# KiCad board jetson-orin-baseboard.kicad_pcb (continued)
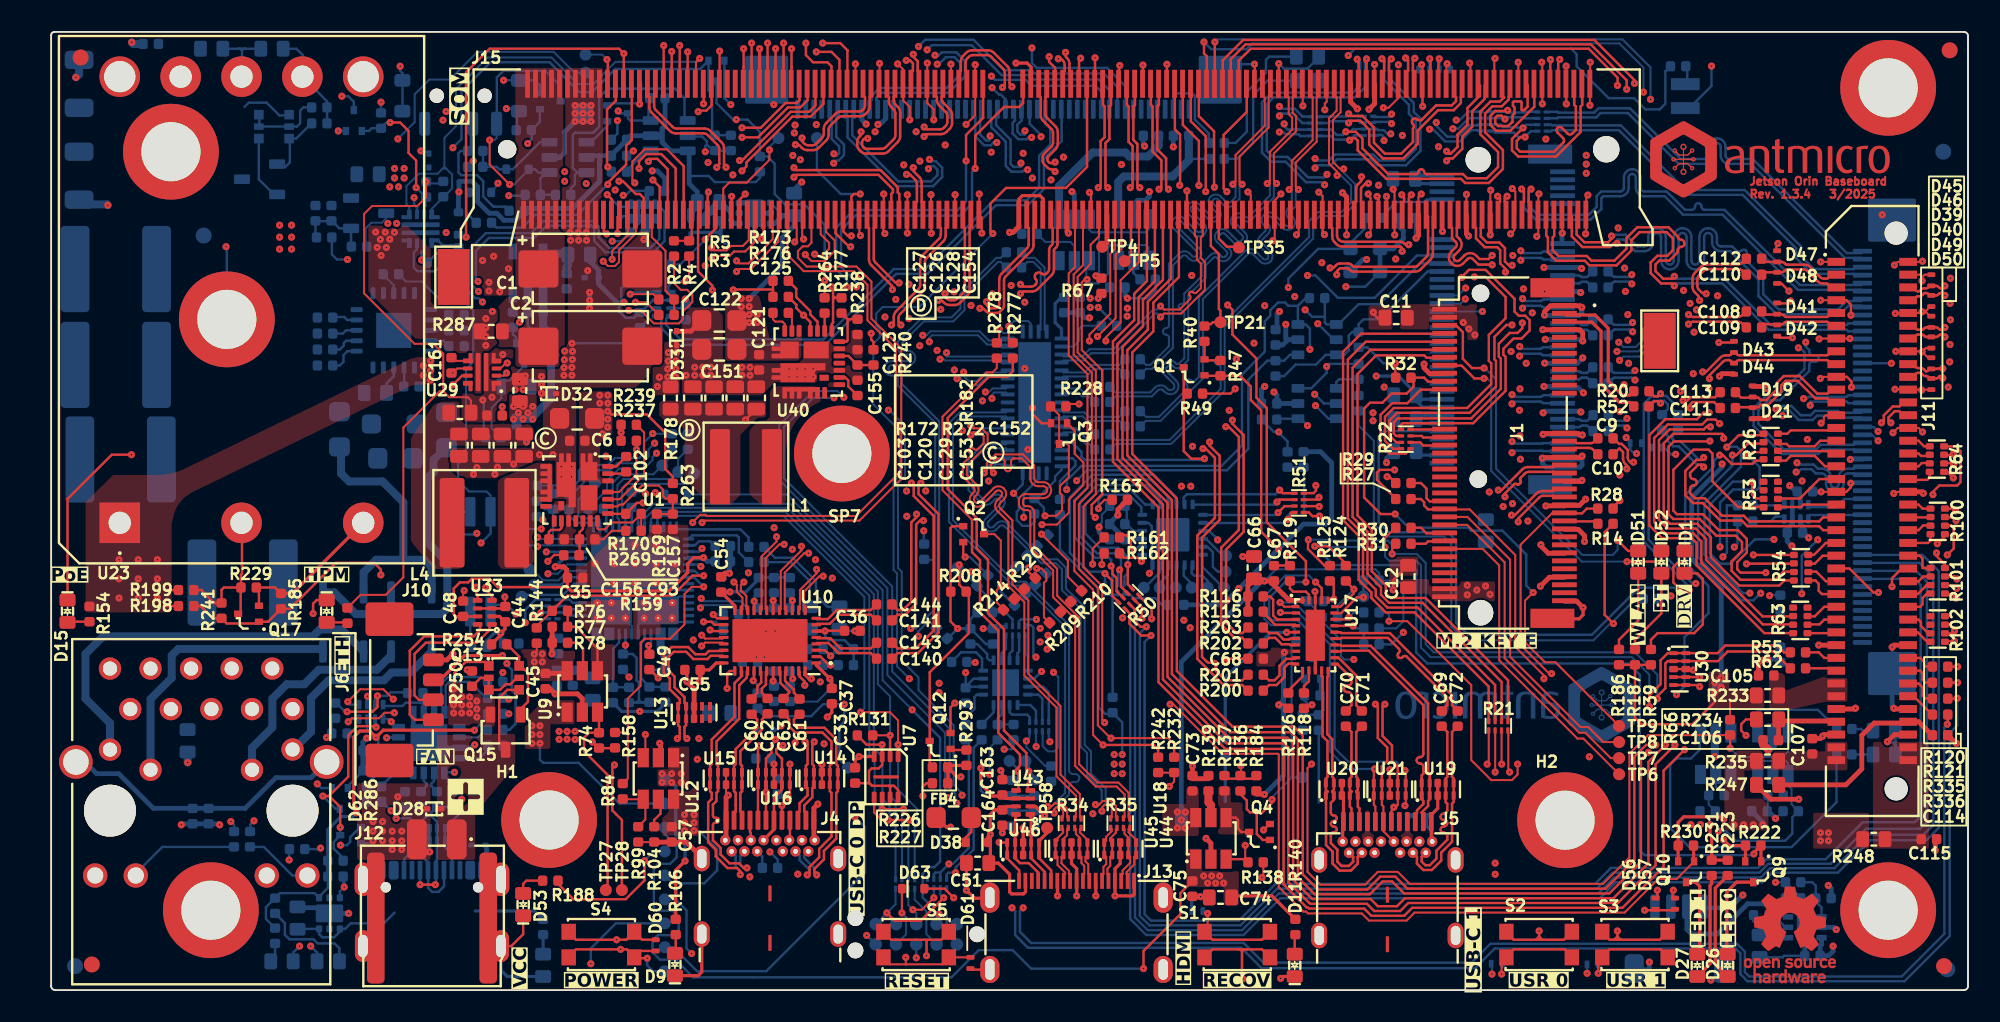
[diagram p0: board, top side]
## Library data of the parts (continued)
R4 R13 R20 R23 R30 R58 R59 R179 R201 R217 R241 R244 R278 = -: Datasheet: https://industrial.panasonic.com/cdbs/www-data/pdf/RDA0000/AOA0000C301.pdf; Author: Antmicro; Current: 1A; License: Apache-2.0; MPN: ERJ2GE0R00X; Manufacturer: Panasonic; Val: 0R; Field12: Author: Antmicro; Field13: License: Apache-2.0
R5 R119 R167 R293 = -: Datasheet: https://industrial.panasonic.com/cdbs/www-data/pdf/RDA0000/AOA0000C301.pdf; Author: Antmicro; Current: 1A; License: Apache-2.0; MPN: ERJ2GE0R00X; Manufacturer: Panasonic; Val: 0R; Field11: License: Apache-2.0; Field12: Author: Antmicro
R6 R180 R207 = -: Datasheet: https://www.bourns.com/docs/product-datasheets/cr.pdf; Author: Antmicro; License: Apache-2.0; MPN: CR0402-FX-1003GLF; Manufacturer: Bourns; Tolerance: 1%; Val: 100k; Field11: Author: Antmicro; Field12: License: Apache-2.0
R7 R106 = -: Datasheet: https://www.bourns.com/docs/product-datasheets/cr.pdf; Author: Antmicro; License: Apache-2.0; MPN: CR0402-FX-4701GLF; Manufacturer: Bourns; Tolerance: 1%; Val: 4k7; Field10: License: Apache-2.0; Field11: Author: Antmicro
R8-R10 R81 R130 = -: Datasheet: https://www.bourns.com/docs/product-datasheets/cr.pdf; Author: Antmicro; License: Apache-2.0; MPN: CR0402-FX-4701GLF; Manufacturer: Bourns; Tolerance: 1%; Val: 4k7; Field10: License: Apache-2.0; Field12: Author: Antmicro
R11 R15 R16 R19 R62 R114 R120 R124 R141 R158 R166 R183 R216 R225 R226 R268 = -: Datasheet: https://industrial.panasonic.com/cdbs/www-data/pdf/RDA0000/AOA0000C301.pdf; Author: Antmicro; Current: 1A; License: Apache-2.0; MPN: ERJ2GE0R00X; Manufacturer: Panasonic; Val: 0R; Field11: Author: Antmicro; Field12: License: Apache-2.0
R21 R25 R51 R108 R122 = -: Datasheet: http://industrial.panasonic.com/cdbs/www-data/pdf/AOC0000/AOC0000C14.pdf; Author: Antmicro; License: Apache-2.0; MPN: EXB-18VR000X; Manufacturer: Panasonic; Val: 4x0R_0201; Field9: License: Apache-2.0; Field10: Author: Antmicro
R22 R33 R35 R107 R204 = -: Datasheet: http://industrial.panasonic.com/cdbs/www-data/pdf/AOC0000/AOC0000C14.pdf; Author: Antmicro; License: Apache-2.0; MPN: EXB-18VR000X; Manufacturer: Panasonic; Val: 4x0R_0201; Field10: Author: Antmicro; Field11: License: Apache-2.0
R24 R42 R44 R47 R74 R77 R135 R136 R138 R153 R163 R193 R238 R251 = -: Datasheet: https://www.bourns.com/docs/product-datasheets/cr.pdf; Author: Antmicro; License: Apache-2.0; MPN: CR0402-FX-1002GLF; Manufacturer: Bourns; Tolerance: 1%; Val: 10k; Field11: Author: Antmicro; Field12: License: Apache-2.0
R26 R101 = -: Datasheet: http://industrial.panasonic.com/cdbs/www-data/pdf/AOC0000/AOC0000C14.pdf; Author: Antmicro; License: Apache-2.0; MPN: EXB-28V331JX; Manufacturer: Panasonic; Val: R_4x330R_0402; Field9: License: Apache-2.0; Field10: Author: Antmicro
R27 = -: Datasheet: https://www.bourns.com/docs/product-datasheets/cr.pdf; Author: Antmicro; License: Apache-2.0; MPN: CR0402-FX-4702GLF; Manufacturer: Bourns; Tolerance: 1%; Val: 47k; Field10: Author: Antmicro; Field11: License: Apache-2.0
R28 R37 R38 = -: Datasheet: https://www.bourns.com/docs/product-datasheets/cr.pdf; Author: Antmicro; License: Apache-2.0; MPN: CR0402-FX-4702GLF; Manufacturer: Bourns; Tolerance: 1%; Val: 47k; Field10: License: Apache-2.0; Field11: Author: Antmicro
R32 = -: Datasheet: https://www.bourns.com/docs/product-datasheets/cr.pdf; Author: Antmicro; License: Apache-2.0; MPN: CR0402-FX-4702GLF; Manufacturer: Bourns; Tolerance: 1%; Val: 47k; Field10: License: Apache-2.0; Field12: Author: Antmicro
R34 R103 = -: Datasheet: http://industrial.panasonic.com/cdbs/www-data/pdf/AOC0000/AOC0000C14.pdf; Author: Antmicro; License: Apache-2.0; MPN: EXB-18VR000X; Manufacturer: Panasonic; Val: 4x0R_0201; Field9: License: Apache-2.0; Field11: Author: Antmicro
R36 = -: Datasheet: http://industrial.panasonic.com/cdbs/www-data/pdf/AOC0000/AOC0000C14.pdf; Author: Antmicro; License: Apache-2.0; MPN: EXB-18V222JX; Manufacturer: Panasonic; Val: 4x2k2_0201; Field9: License: Apache-2.0; Field11: Author: Antmicro
R39 R147 = -: Datasheet: https://www.bourns.com/docs/product-datasheets/cr.pdf; Author: Antmicro; License: Apache-2.0; MPN: CR0402-FX-2000GLF; Manufacturer: Bourns; Tolerance: 1%; Val: 200R; Field11: Author: Antmicro; Field12: License: Apache-2.0
R43 = -: Datasheet: https://www.bourns.com/docs/product-datasheets/cr.pdf; Author: Antmicro; License: Apache-2.0; MPN: CR0402-FX-1003GLF; Manufacturer: Bourns; Tolerance: 1%; Val: 100k; Field10: Author: Antmicro; Field11: License: Apache-2.0
R45 R192 R205 R229 = -: Datasheet: https://www.bourns.com/docs/product-datasheets/cr.pdf; Author: Antmicro; License: Apache-2.0; MPN: CR0402-FX-1003GLF; Manufacturer: Bourns; Tolerance: 1%; Val: 100k; Field10: License: Apache-2.0; Field12: Author: Antmicro
R46 R131 R211 R219 R254 = -: Datasheet: https://www.bourns.com/docs/product-datasheets/cr.pdf; Author: Antmicro; License: Apache-2.0; MPN: CR0402-FX-1002GLF; Manufacturer: Bourns; Tolerance: 1%; Val: 10k; Field10: License: Apache-2.0; Field12: Author: Antmicro
R48 = -: Datasheet: http://industrial.panasonic.com/cdbs/www-data/pdf/AOC0000/AOC0000C14.pdf; Author: Antmicro; License: Apache-2.0; MPN: EXB-18V222JX; Manufacturer: Panasonic; Val: 4x2k2_0201; Field10: Author: Antmicro; Field11: License: Apache-2.0
R49 R66 R83 R99 R115 R137 R181 R242 = -: Datasheet: https://www.bourns.com/docs/product-datasheets/cr.pdf; Author: Antmicro; License: Apache-2.0; MPN: CR0402-FX-1002GLF; Manufacturer: Bourns; Tolerance: 1%; Val: 10k; Field10: License: Apache-2.0; Field11: Author: Antmicro
R50 = -: Datasheet: http://industrial.panasonic.com/cdbs/www-data/pdf/AOC0000/AOC0000C14.pdf; Author: Antmicro; License: Apache-2.0; MPN: EXB-18VR000X; Manufacturer: Panasonic; Val: 4x0R_0201; Field10: License: Apache-2.0; Field11: Author: Antmicro
R53 = -: Datasheet: http://industrial.panasonic.com/cdbs/www-data/pdf/AOC0000/AOC0000C14.pdf; Author: Antmicro; License: Apache-2.0; MPN: EXB-28V331JX; Manufacturer: Panasonic; Val: R_4x330R_0402; Field10: License: Apache-2.0; Field11: Author: Antmicro
R54 = -: Datasheet: http://industrial.panasonic.com/cdbs/www-data/pdf/AOC0000/AOC0000C14.pdf; Author: Antmicro; License: Apache-2.0; MPN: EXB-28V331JX; Manufacturer: Panasonic; Val: R_4x330R_0402; Field10: Author: Antmicro; Field11: License: Apache-2.0
R60 R189 R232 R250 R269 = -: Datasheet: https://www.bourns.com/docs/product-datasheets/cr.pdf; Author: Antmicro; License: Apache-2.0; MPN: CR0402-FX-1002GLF; Manufacturer: Bourns; Tolerance: 1%; Val: 10k; Field10: Author: Antmicro; Field12: License: Apache-2.0
R61 R265 = -: Datasheet: https://www.bourns.com/docs/product-datasheets/cr.pdf; Author: Antmicro; License: Apache-2.0; MPN: CR0402-FX-2003GLF; Manufacturer: Bourns; Tolerance: 1%; Val: 200k; Field10: Author: Antmicro; Field12: License: Apache-2.0
R63 R64 R100 = -: Datasheet: http://industrial.panasonic.com/cdbs/www-data/pdf/AOC0000/AOC0000C14.pdf; Author: Antmicro; License: Apache-2.0; MPN: EXB-28V331JX; Manufacturer: Panasonic; Val: R_4x330R_0402; Field9: Author: Antmicro; Field10: License: Apache-2.0
R67 R160 R194 R228 = -: Datasheet: https://www.bourns.com/docs/product-datasheets/cr.pdf; Author: Antmicro; License: Apache-2.0; MPN: CR0402-FX-1002GLF; Manufacturer: Bourns; Tolerance: 1%; Val: 10k; Field11: License: Apache-2.0; Field12: Author: Antmicro
R68 R72 R133 R186 R191 = -: Datasheet: https://www.bourns.com/docs/product-datasheets/cr.pdf; Author: Antmicro; License: Apache-2.0; MPN: CR0402-FX-2000GLF; Manufacturer: Bourns; Tolerance: 1%; Val: 200R; Field10: Author: Antmicro; Field11: License: Apache-2.0
R69 R236 = -: Datasheet: https://www.bourns.com/docs/product-datasheets/cr.pdf; Author: Antmicro; License: Apache-2.0; MPN: CR0402-FX-2000GLF; Manufacturer: Bourns; Tolerance: 1%; Val: 200R; Field10: Author: Antmicro; Field12: License: Apache-2.0
R73 R151 R231 = -: Datasheet: https://www.bourns.com/docs/product-datasheets/cr.pdf; Author: Antmicro; License: Apache-2.0; MPN: CR0402-FX-2000GLF; Manufacturer: Bourns; Tolerance: 1%; Val: 200R; Field11: License: Apache-2.0; Field12: Author: Antmicro
R78 R282 = -: Datasheet: https://www.bourns.com/docs/product-datasheets/cr.pdf; Author: Antmicro; License: Apache-2.0; MPN: CR0402-FX-2201GLF; Manufacturer: Bourns; Tolerance: 1%; Val: 2k2; Field10: License: Apache-2.0; Field12: Author: Antmicro
R80 R164 = -: Datasheet: https://www.bourns.com/docs/product-datasheets/cr.pdf; Author: Antmicro; License: Apache-2.0; MPN: CR0402-FX-4701GLF; Manufacturer: Bourns; Tolerance: 1%; Val: 4k7; Field10: Author: Antmicro; Field12: License: Apache-2.0
R85 R89 R95 R98 R155 R184 R256 = -: Datasheet: https://www.bourns.com/docs/product-datasheets/cr.pdf; Author: Antmicro; License: Apache-2.0; MPN: CR0402-FX-1001GLF; Manufacturer: Bourns; Tolerance: 1%; Val: 1k; Field11: License: Apache-2.0; Field12: Author: Antmicro
R86 R87 R91 R94 R96 = -: Datasheet: https://www.bourns.com/docs/product-datasheets/cr.pdf; Author: Antmicro; License: Apache-2.0; MPN: CR0402-FX-1001GLF; Manufacturer: Bourns; Tolerance: 1%; Val: 1k; Field11: Author: Antmicro; Field12: License: Apache-2.0
R88 R111 R267 = -: Datasheet: https://www.bourns.com/docs/product-datasheets/cr.pdf; Author: Antmicro; License: Apache-2.0; MPN: CR0402-FX-1001GLF; Manufacturer: Bourns; Tolerance: 1%; Val: 1k; Field10: License: Apache-2.0; Field12: Author: Antmicro
R90 R93 R156 = -: Datasheet: https://www.bourns.com/docs/product-datasheets/cr.pdf; Author: Antmicro; License: Apache-2.0; MPN: CR0402-FX-1001GLF; Manufacturer: Bourns; Tolerance: 1%; Val: 1k; Field10: License: Apache-2.0; Field11: Author: Antmicro
R92 = -: Datasheet: https://www.bourns.com/docs/product-datasheets/cr.pdf; Author: Antmicro; License: Apache-2.0; MPN: CR0402-FX-1001GLF; Manufacturer: Bourns; Tolerance: 1%; Val: 1k; Field10: Author: Antmicro; Field11: License: Apache-2.0
R97 = -: Datasheet: https://www.bourns.com/docs/product-datasheets/cr.pdf; Author: Antmicro; License: Apache-2.0; MPN: CR0402-FX-1001GLF; Manufacturer: Bourns; Tolerance: 1%; Val: 1k; Field10: Author: Antmicro; Field12: License: Apache-2.0
R102 = -: Datasheet: http://industrial.panasonic.com/cdbs/www-data/pdf/AOC0000/AOC0000C14.pdf; Author: Antmicro; License: Apache-2.0; MPN: EXB-28V331JX; Manufacturer: Panasonic; Val: R_4x330R_0402; Field9: Author: Antmicro; Field11: License: Apache-2.0
R104 = -: Datasheet: https://www.bourns.com/docs/product-datasheets/cr.pdf; Author: Antmicro; License: Apache-2.0; MPN: CR0402-FX-2201GLF; Manufacturer: Bourns; Tolerance: 1%; Val: 2k2; Field11: License: Apache-2.0; Field12: Author: Antmicro
R105 = -: Datasheet: https://www.bourns.com/docs/product-datasheets/cr.pdf; Author: Antmicro; License: Apache-2.0; MPN: CR0402-FX-4701GLF; Manufacturer: Bourns; Tolerance: 1%; Val: 4k7; Field11: License: Apache-2.0; Field12: Author: Antmicro
R109 R110 = -: Datasheet: https://www.mouser.com/datasheet/2/447/YAGEO_PYu_RC_Group_51_RoHS_L_12-3313492.pdf; Description: SMD Chip Resistor, 2 Mohm, ± 1%, 62.5 mW, 0402 [1005 Metric], Thick Film, General Purpose; Author: Antmicro; License: Apache-2.0; MPN: RC0402FR-072ML; Manufacturer: YAGEO; Tolerance: 1%; Val: 2M; Field11: License: Apache-2.0; Field12: Author: Antmicro
R112 = -: Datasheet: http://industrial.panasonic.com/cdbs/www-data/pdf/AOC0000/AOC0000C14.pdf; Author: Antmicro; License: Apache-2.0; MPN: EXB-18V101JX; Manufacturer: Panasonic; Val: R_4x100R_0201; Field9: Author: Antmicro; Field11: License: Apache-2.0
R116 R148-R150 R188 R255 R259 = -: Datasheet: https://www.bourns.com/docs/product-datasheets/cr.pdf; Author: Antmicro; License: Apache-2.0; MPN: CR0402-FX-1002GLF; Manufacturer: Bourns; Tolerance: 1%; Val: 10k; Field10: Author: Antmicro; Field11: License: Apache-2.0
R117 = -: Datasheet: https://www.bourns.com/docs/product-datasheets/cr.pdf; Author: Antmicro; License: Apache-2.0; MPN: CR0402-FX-27R0GLF; Manufacturer: Bourns; Tolerance: 1%; Val: 27R; Field10: License: Apache-2.0; Field12: Author: Antmicro
R123 = -: Datasheet: https://www.bourns.com/docs/product-datasheets/cr.pdf; Author: Antmicro; License: Apache-2.0; MPN: CR0402-FX-1301GLF; Manufacturer: Bourns; Tolerance: 1%; Val: 1k3; Field10: Author: Antmicro; Field12: License: Apache-2.0
R126 R257 R258 = -: Datasheet: https://www.bourns.com/docs/product-datasheets/cr.pdf; Author: Antmicro; License: Apache-2.0; MPN: CR0402-FX-2003GLF; Manufacturer: Bourns; Tolerance: 1%; Val: 200k; Field11: Author: Antmicro; Field12: License: Apache-2.0
R127 = -: Datasheet: https://www.bourns.com/docs/product-datasheets/cr.pdf; Author: Antmicro; License: Apache-2.0; MPN: CR0402-FX-27R0GLF; Manufacturer: Bourns; Tolerance: 1%; Val: 27R; Field10: Author: Antmicro; Field12: License: Apache-2.0
R128 = -: Datasheet: https://eu.mouser.com/datasheet/2/315/AOA0000C304-1149620.pdf; Author: Antmicro; License: Apache-2.0; MPN: ERJ-2RKF8873X; Manufacturer: Panasonic; Tolerance: 1%; Val: 887k; Field11: License: Apache-2.0; Field12: Author: Antmicro
R132 R187 R223 = -: Datasheet: https://www.bourns.com/docs/product-datasheets/cr.pdf; Author: Antmicro; License: Apache-2.0; MPN: CR0402-FX-2000GLF; Manufacturer: Bourns; Tolerance: 1%; Val: 200R; Field10: License: Apache-2.0; Field11: Author: Antmicro
R139 = -: Datasheet: https://www.bourns.com/docs/product-datasheets/cr.pdf; Author: Antmicro; License: Apache-2.0; MPN: CR0402-FX-2201GLF; Manufacturer: Bourns; Tolerance: 1%; Val: 2k2; Field10: Author: Antmicro; Field12: License: Apache-2.0
R140 R206 = -: Datasheet: https://www.bourns.com/docs/product-datasheets/cr.pdf; Author: Antmicro; License: Apache-2.0; MPN: CR0402-FX-4700GLF; Manufacturer: Bourns; Tolerance: 1%; Val: 470R; Field11: License: Apache-2.0; Field12: Author: Antmicro
R142 = -: Datasheet: https://www.bourns.com/docs/product-datasheets/cr.pdf; Author: Antmicro; License: Apache-2.0; MPN: CR0402-FX-4992GLF; Manufacturer: Bourns; Tolerance: 1%; Val: 49k9; Field10: Author: Antmicro; Field12: License: Apache-2.0
R143 = -: Datasheet: https://fscdn.rohm.com/en/products/databook/datasheet/passive/resistor/chip_resistor/pmr-jpw-e.pdf; Author: Antmicro; License: Apache-2.0; MPN: PMR03EZPJ000; Manufacturer: ROHM Semiconductor; Max. Curr.: 22.4A; Tolerance: template_tolerance; Val: 0R; Field11: Author: Antmicro; Field13: License: Apache-2.0
R145 = -: Datasheet: https://www.bourns.com/docs/product-datasheets/cr.pdf; Author: Antmicro; License: Apache-2.0; MPN: CR0402-FX-1201GLF; Manufacturer: Bourns; Tolerance: 1%; Val: 1k2; Field11: License: Apache-2.0; Field12: Author: Antmicro
R146 = -: Datasheet: https://www.bourns.com/docs/product-datasheets/cr.pdf; Author: Antmicro; License: Apache-2.0; MPN: CR0402-FX-2492GLF; Manufacturer: Bourns; Tolerance: 1%; Val: 24k9; Field10: Author: Antmicro; Field12: License: Apache-2.0
R152 = -: Datasheet: https://www.bourns.com/docs/product-datasheets/cr.pdf; Author: Antmicro; License: Apache-2.0; MPN: CR0402-FX-2000GLF; Manufacturer: Bourns; Tolerance: 1%; Val: 200R; Field10: License: Apache-2.0; Field12: Author: Antmicro
R154 = -: Datasheet: https://www.bourns.com/docs/product-datasheets/cr.pdf; Author: Antmicro; License: Apache-2.0; MPN: CR0402-FX-2492GLF; Manufacturer: Bourns; Tolerance: 1%; Val: 24k9; Field11: Author: Antmicro; Field12: License: Apache-2.0
R157 R273 = -: Datasheet: https://www.bourns.com/docs/product-datasheets/cr.pdf?sfvrsn=574d41f6_14; Author: Antmicro; Current: 1A; License: Apache-2.0; MPN: CR0603-J/-000ELF; Manufacturer: Bourns; Val: 0R; Field12: Author: Antmicro; Field13: License: Apache-2.0
R159 = -: Datasheet: https://www.mouser.com/datasheet/2/54/cr-1858361.pdf; Author: Antmicro; License: Apache-2.0; MPN: CR0402-FX-4993GLF; Manufacturer: Bourns; Tolerance: 1%; Val: 499k; Field10: License: Apache-2.0; Field12: Author: Antmicro
R165 R246 = -: Datasheet: https://www.bourns.com/docs/product-datasheets/cr.pdf; Author: Antmicro; License: Apache-2.0; MPN: CR0402-FX-4701GLF; Manufacturer: Bourns; Tolerance: 1%; Val: 4k7; Field11: Author: Antmicro; Field12: License: Apache-2.0
R169 = -: Datasheet: https://www.bourns.com/docs/product-datasheets/cr.pdf; Description: SMD Chip Resistor, 2.7 kohm, ± 1%, 63 mW, 0402 [1005 Metric], Thick Film, General Purpose; Author: Antmicro; License: Apache-2.0; MPN: CR0402-FX-2701GLF; Manufacturer: Bourns; Tolerance: 1%; Val: 2k7; Field11: Author: Antmicro; Field12: License: Apache-2.0
R170 = -: Datasheet: https://www.bourns.com/docs/product-datasheets/cr.pdf; Author: Antmicro; License: Apache-2.0; MPN: CR0402-FX-7322GLF; Manufacturer: Bourns; Tolerance: 1%; Val: 73k2; Field10: License: Apache-2.0; Field11: Author: Antmicro
R172 R182 R233 R252 = -: Datasheet: https://fscdn.rohm.com/en/products/databook/datasheet/passive/resistor/chip_resistor/pmr-jpw-e.pdf; Author: Antmicro; License: Apache-2.0; MPN: PMR03EZPJ000; Manufacturer: ROHM Semiconductor; Max. Curr.: 22.4A; Tolerance: template_tolerance; Val: 0R; Field12: Author: Antmicro; Field13: License: Apache-2.0
R173 = -: Datasheet: https://www.mouser.com/datasheet/2/54/cr-1858361.pdf; Author: Antmicro; License: Apache-2.0; MPN: CR0402-FX-4993GLF; Manufacturer: Bourns; Tolerance: 1%; Val: 499k; Field10: Author: Antmicro; Field12: License: Apache-2.0
R175 R235 = -: Datasheet: https://fscdn.rohm.com/en/products/databook/datasheet/passive/resistor/chip_resistor/pmr-jpw-e.pdf; Author: Antmicro; License: Apache-2.0; MPN: PMR03EZPJ000; Manufacturer: ROHM Semiconductor; Max. Curr.: 22.4A; Tolerance: template_tolerance; Val: 0R; Field11: License: Apache-2.0; Field12: Author: Antmicro
R176 R237 R239 R240 = -: Datasheet: https://www.mouser.com/datasheet/2/54/cr-1858361.pdf; Author: Antmicro; License: Apache-2.0; MPN: CR0402-FX-4993GLF; Manufacturer: Bourns; Tolerance: 1%; Val: 499k; Field11: License: Apache-2.0; Field12: Author: Antmicro
R177 = -: Datasheet: https://www.bourns.com/docs/product-datasheets/cr.pdf; Author: Antmicro; License: Apache-2.0; MPN: CR0402-FX-4532GLF; Manufacturer: Bourns; Tolerance: 1%; Val: 45k3; Field10: License: Apache-2.0; Field11: Author: Antmicro
R178 R248 = -: Datasheet: https://fscdn.rohm.com/en/products/databook/datasheet/passive/resistor/chip_resistor/pmr-jpw-e.pdf; Author: Antmicro; License: Apache-2.0; MPN: PMR03EZPJ000; Manufacturer: ROHM Semiconductor; Max. Curr.: 22.4A; Tolerance: template_tolerance; Val: 0R; Field12: License: Apache-2.0; Field13: Author: Antmicro
R185 R230 = -: Datasheet: https://www.bourns.com/docs/product-datasheets/cr.pdf; Author: Antmicro; License: Apache-2.0; MPN: CR0402-FX-1003GLF; Manufacturer: Bourns; Tolerance: 1%; Val: 100k; Field10: Author: Antmicro; Field12: License: Apache-2.0
R190 = -: Datasheet: https://www.bourns.com/docs/product-datasheets/cr.pdf; Author: Antmicro; License: Apache-2.0; MPN: CR0402-FX-1502GLF; Manufacturer: Bourns; Tolerance: 1%; Val: 15k; Field10: License: Apache-2.0; Field11: Author: Antmicro
R195 = -: Datasheet: http://industrial.panasonic.com/cdbs/www-data/pdf/AOC0000/AOC0000C14.pdf; Author: Antmicro; License: Apache-2.0; MPN: EXB-18VR000X; Manufacturer: Panasonic; Val: 4x0R_0201; Field9: Author: Antmicro; Field10: License: Apache-2.0
R196 = -: Datasheet: https://www.bourns.com/docs/product-datasheets/cr.pdf; Author: Antmicro; License: Apache-2.0; MPN: CR0603-FX-63R4ELF; Manufacturer: Bourns; Tolerance: 1%; Val: 63R4; Field10: Author: Antmicro; Field12: License: Apache-2.0
R197 R335 R336 = -: Datasheet: https://www.bourns.com/docs/product-datasheets/cr.pdf; Author: Antmicro; License: Apache-2.0; MPN: CR0402-FX-4700GLF; Manufacturer: Bourns; Tolerance: 1%; Val: 470R; Field10: Author: Antmicro; Field11: License: Apache-2.0
R198 = -: Datasheet: https://www.bourns.com/docs/product-datasheets/cr.pdf; Author: Antmicro; License: Apache-2.0; MPN: CR0402-FX-4703GLF; Manufacturer: Bourns; Tolerance: 1%; Val: 470k; Field10: License: Apache-2.0; Field11: Author: Antmicro
R199 = -: Datasheet: https://www.bourns.com/docs/product-datasheets/cr.pdf; Author: Antmicro; License: Apache-2.0; MPN: CR0402-FX-4703GLF; Manufacturer: Bourns; Tolerance: 1%; Val: 470k; Field11: Author: Antmicro; Field12: License: Apache-2.0
R208 R281 = -: Datasheet: https://www.bourns.com/docs/product-datasheets/cr.pdf; Author: Antmicro; License: Apache-2.0; MPN: CR0402-FX-2201GLF; Manufacturer: Bourns; Tolerance: 1%; Val: 2k2; Field11: Author: Antmicro; Field12: License: Apache-2.0
R209 = -: Datasheet: https://www.mouser.com/datasheet/2/54/cr-1858361.pdf; Author: Antmicro; License: Apache-2.0; MPN: CR0402-FX-4990GLF; Manufacturer: Bourns; Tolerance: 1%; Val: 499R; Field10: License: Apache-2.0; Field12: Author: Antmicro
R210 = -: Datasheet: https://www.mouser.com/datasheet/2/54/cr-1858361.pdf; Author: Antmicro; License: Apache-2.0; MPN: CR0402-FX-4990GLF; Manufacturer: Bourns; Tolerance: 1%; Val: 499R; Field10: License: Apache-2.0; Field11: Author: Antmicro
R212 R221 = -: Datasheet: https://www.mouser.com/datasheet/2/54/cr-1858361.pdf; Author: Antmicro; License: Apache-2.0; MPN: CR0402-FX-4990GLF; Manufacturer: Bourns; Tolerance: 1%; Val: 499R; Field10: Author: Antmicro; Field11: License: Apache-2.0
R213 R214 R224 = -: Datasheet: https://www.mouser.com/datasheet/2/54/cr-1858361.pdf; Author: Antmicro; License: Apache-2.0; MPN: CR0402-FX-4990GLF; Manufacturer: Bourns; Tolerance: 1%; Val: 499R; Field11: License: Apache-2.0; Field12: Author: Antmicro
R220 = -: Datasheet: https://www.mouser.com/datasheet/2/54/cr-1858361.pdf; Author: Antmicro; License: Apache-2.0; MPN: CR0402-FX-4990GLF; Manufacturer: Bourns; Tolerance: 1%; Val: 499R; Field11: Author: Antmicro; Field12: License: Apache-2.0
R222 = -: Datasheet: https://www.bourns.com/docs/product-datasheets/cr.pdf; Author: Antmicro; License: Apache-2.0; MPN: CR0402-FX-1003GLF; Manufacturer: Bourns; Tolerance: 1%; Val: 100k; Field11: License: Apache-2.0; Field12: Author: Antmicro
R227 = -: Datasheet: https://www.bourns.com/docs/product-datasheets/cr.pdf; Author: Antmicro; License: Apache-2.0; MPN: CR0402-FX-2201GLF; Manufacturer: Bourns; Tolerance: 1%; Val: 2k2; Field10: License: Apache-2.0; Field11: Author: Antmicro
R234 = -: Datasheet: https://www.bourns.com/docs/product-datasheets/cr.pdf?sfvrsn=574d41f6_14; Author: Antmicro; Current: 1A; License: Apache-2.0; MPN: CR0603-J/-000ELF; Manufacturer: Bourns; Val: 0R; Field11: License: Apache-2.0; Field12: Author: Antmicro
R243 = -: Datasheet: https://www.bourns.com/docs/product-datasheets/cr.pdf?sfvrsn=574d41f6_14; Author: Antmicro; Current: 1A; License: Apache-2.0; MPN: CR0603-J/-000ELF; Manufacturer: Bourns; Val: 0R; Field11: Author: Antmicro; Field13: License: Apache-2.0
R247 R276 = -: Datasheet: https://www.bourns.com/docs/product-datasheets/cr.pdf?sfvrsn=574d41f6_14; Author: Antmicro; Current: 1A; License: Apache-2.0; MPN: CR0603-J/-000ELF; Manufacturer: Bourns; Val: 0R; Field11: Author: Antmicro; Field12: License: Apache-2.0
R249 R270 = -: Datasheet: https://www.bourns.com/docs/product-datasheets/cr.pdf; Author: Antmicro; License: Apache-2.0; MPN: CR0402-FX-1003GLF; Manufacturer: Bourns; Tolerance: 1%; Val: 100k; Field10: License: Apache-2.0; Field11: Author: Antmicro
R253 = -: Datasheet: https://fscdn.rohm.com/en/products/databook/datasheet/passive/resistor/chip_resistor/pmr-jpw-e.pdf; Author: Antmicro; License: Apache-2.0; MPN: PMR03EZPJ000; Manufacturer: ROHM Semiconductor; Max. Curr.: 22.4A; Tolerance: template_tolerance; Val: 0R; Field11: License: Apache-2.0; Field13: Author: Antmicro
R261 = -: Datasheet: https://www.bourns.com/docs/product-datasheets/cr.pdf; Author: Antmicro; License: Apache-2.0; MPN: CR0402-FX-2003GLF; Manufacturer: Bourns; Tolerance: 1%; Val: 200k; Field10: License: Apache-2.0; Field12: Author: Antmicro
R262 = -: Datasheet: https://www.bourns.com/docs/product-datasheets/cr.pdf; Author: Antmicro; License: Apache-2.0; MPN: CR0402-FX-4701GLF; Manufacturer: Bourns; Tolerance: 1%; Val: 4k7; Field10: Author: Antmicro; Field11: License: Apache-2.0
R263 = -: Datasheet: https://www.bourns.com/docs/product-datasheets/cr.pdf; Description: SMD Chip Resistor, 20 kohm, ± 1%, 62.5 mW, 0402 [1005 Metric], Thick Film, General Purpose; Author: Antmicro; License: Apache-2.0; MPN: CR0402-FX-2002GLF; Manufacturer: Bourns; Tolerance: 1%; Val: 20k; Field10: License: Apache-2.0; Field11: Author: Antmicro
R266 = -: Datasheet: https://www.bourns.com/docs/product-datasheets/cr.pdf; Author: Antmicro; License: Apache-2.0; MPN: CR0402-FX-2003GLF; Manufacturer: Bourns; Tolerance: 1%; Val: 200k; Field11: License: Apache-2.0; Field12: Author: Antmicro
R271 = -: Datasheet: https://www.bourns.com/docs/product-datasheets/cr.pdf; Author: Antmicro; License: Apache-2.0; MPN: CR0402-FX-1005GLF; Manufacturer: Bourns; Tolerance: 1%; Val: 10M; Field11: License: Apache-2.0; Field12: Author: Antmicro
